# KiCad board ClockFOUR.kicad_pcb (continued)
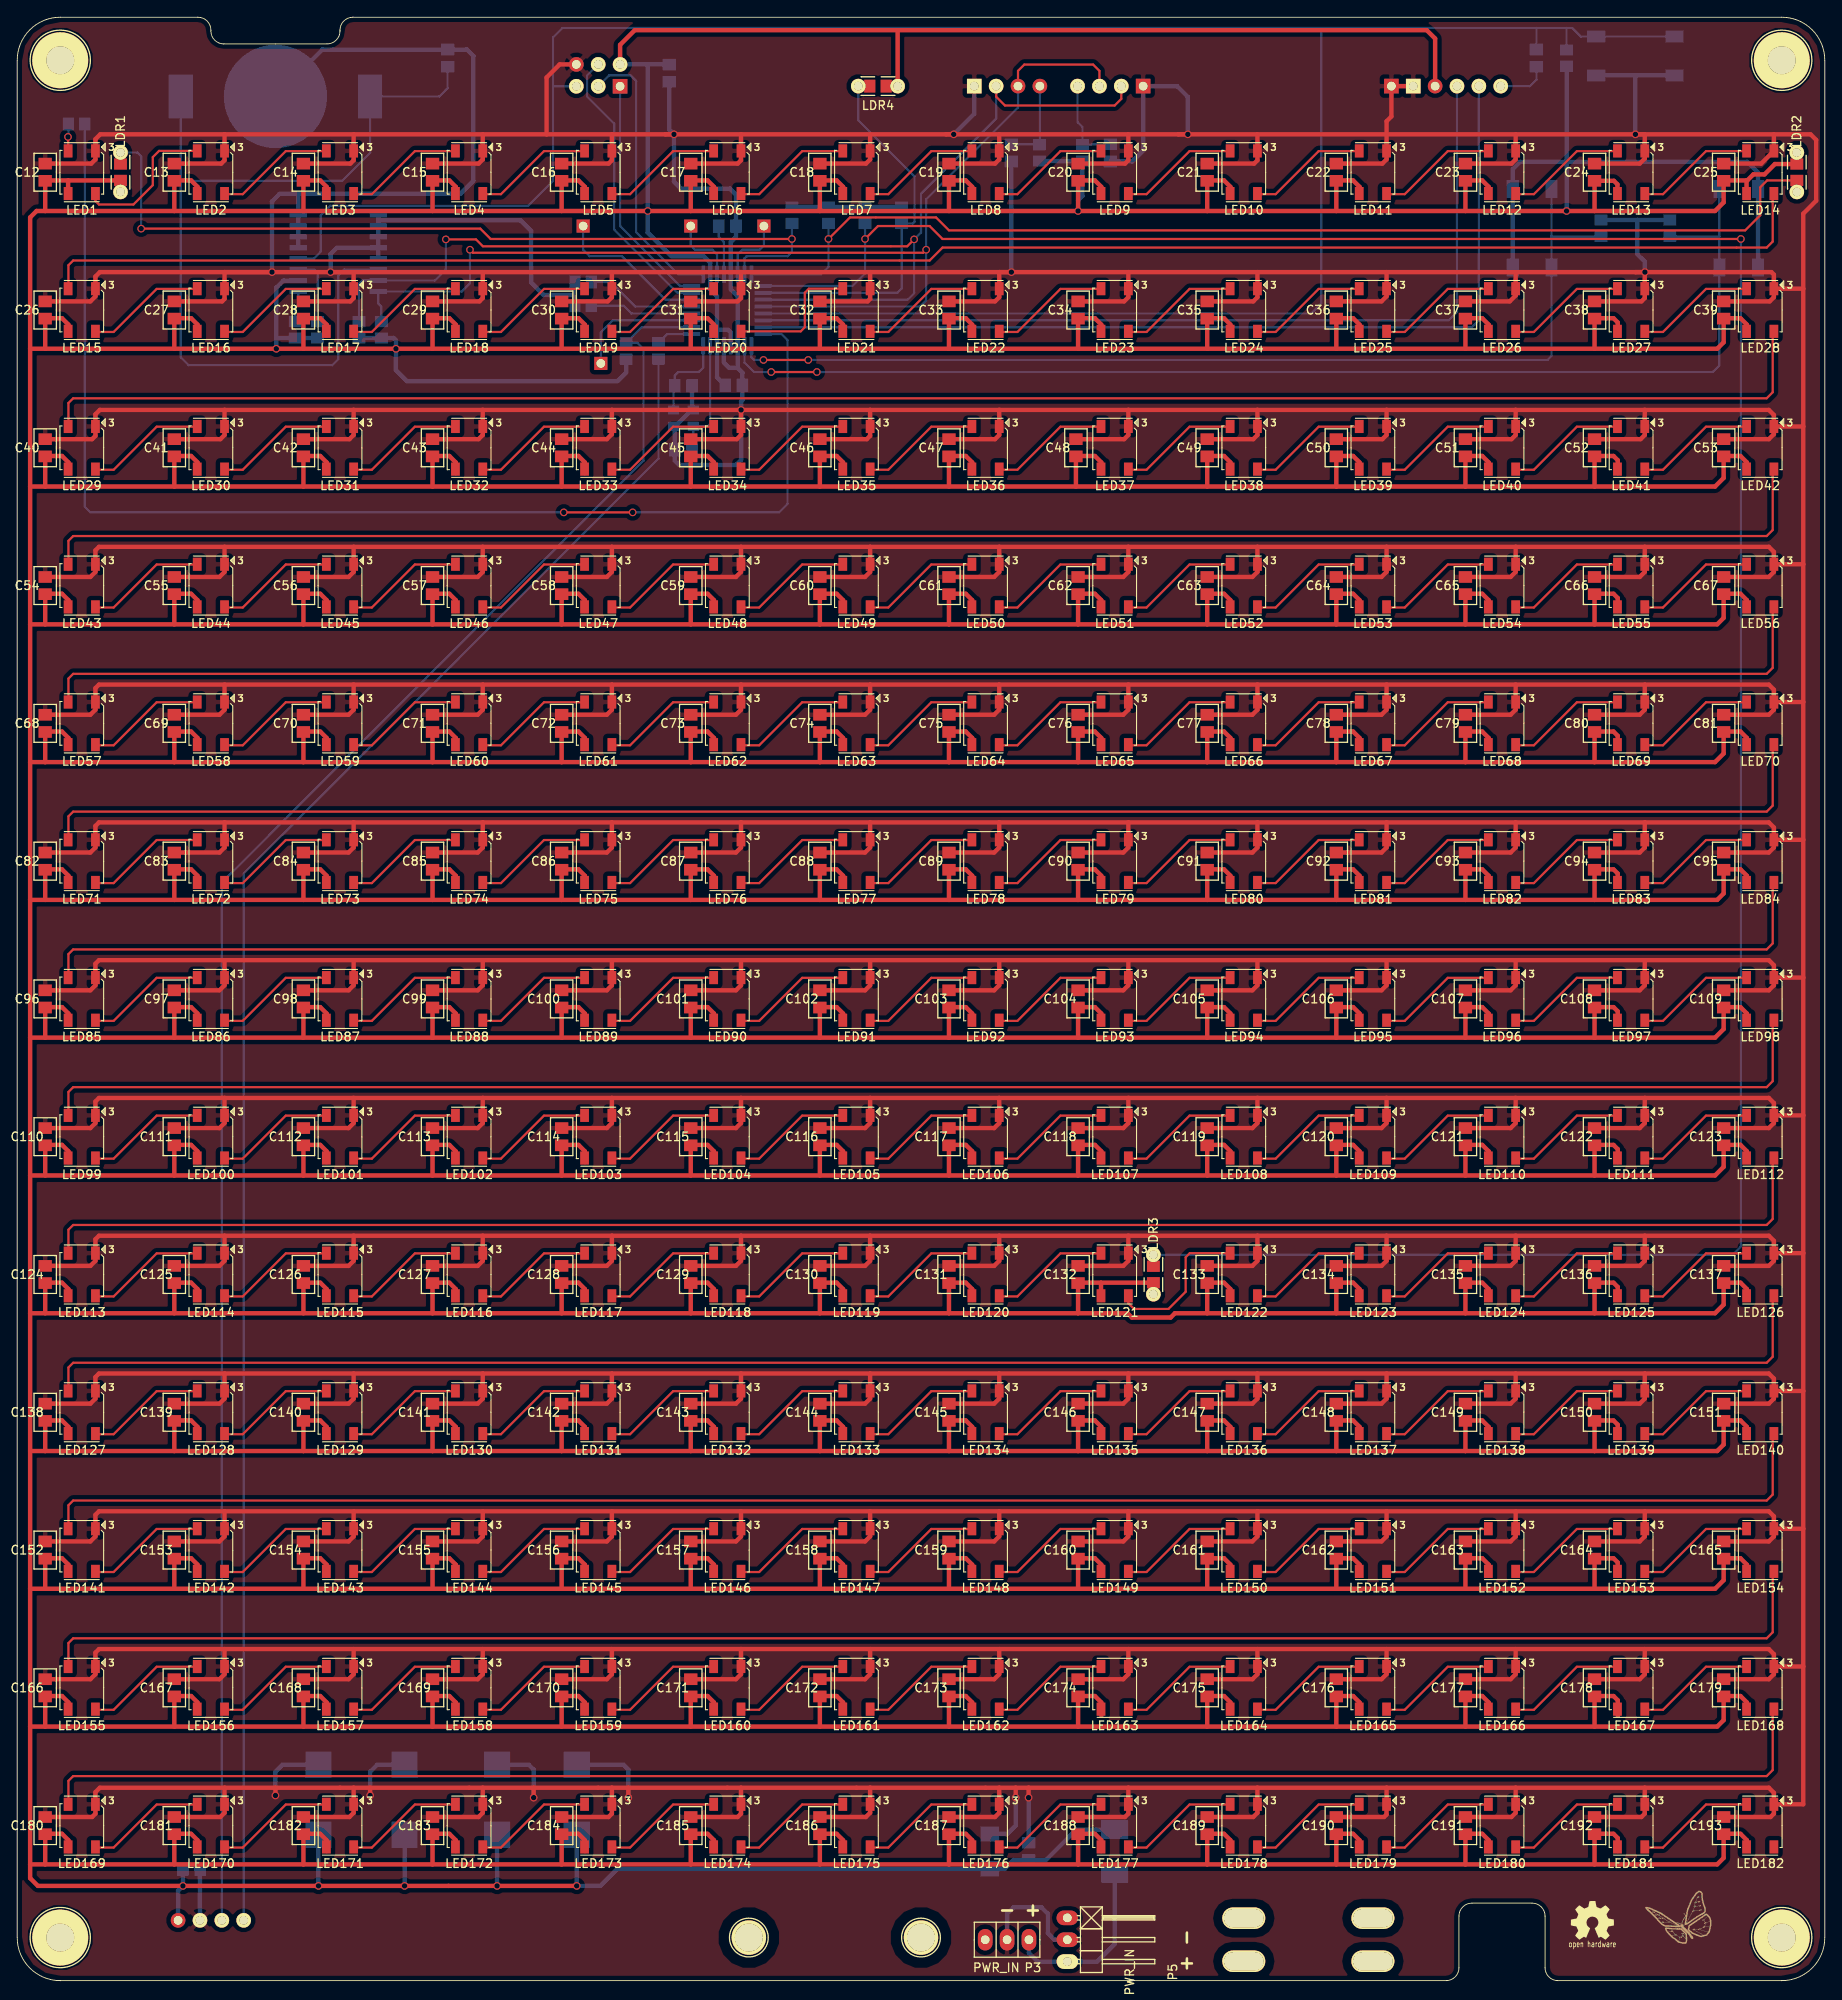
[diagram p0: board, top side]
## Routing (per net, layer and track width the routed paths; a pad name or vN(x,y) marks a point on that pad's centre or on a via; arc(x,y) is an arc through that point) (continued)
/5V_L: length 10.3
  Bottom w0.254: P7.1 123.19,215.81 123.75,215.25 P6.1 124.8,213.2 124.84,213.25 C197.1
/5V_R: length 10.1
  Bottom w0.254: P9.4 118.81,213.26 P8.2 118.7,213.25 C198.1
GND: length 4789.2
  Top w0.508: 24.09,166.5 9.5,166.5 9.09,166.09 LED43.3 9.09,163.59 8.5,163 C54.1 ; 24.09,166.5 39.09,166.5 ; 24.09,166.5 LED44.3 24.09,163.59 23.5,163 C55.1 ; LED56.3 204.09,165.91 203.5,166.5 189.09,166.5 ; LED56.3 204.09,163.59 203.5,163 C67.1 ; LED56.3 207.5,164.48 ; 24.09,150.5 9.5,150.5 9.09,150.09 LED57.3 9.09,147.59 8.5,147 C68.1 ; 24.09,150.5 39.09,150.5 ; 24.09,150.5 LED58.3 24.09,147.59 23.5,147 C69.1 ; LED70.3 204.09,149.91 203.5,150.5 189.09,150.5 ; LED70.3 204.09,147.59 203.5,147 C81.1 ; LED70.3 207.5,148.48 ; 189.09,150.5 174.09,150.5 ; 189.09,150.5 LED69.3 189.09,147.59 188.5,147 C80.1 ; 189.09,166.5 174.09,166.5 ; 189.09,166.5 LED55.3 189.09,163.59 188.5,163 C66.1 ; 174.09,150.5 159.09,150.5 ; 174.09,150.5 LED68.3 174.09,147.59 173.5,147 C79.1 ; 174.09,166.5 159.09,166.5 ; 174.09,166.5 LED54.3 174.09,163.59 173.5,163 C65.1 ; 159.09,166.5 144.09,166.5 ; 159.09,166.5 LED53.3 159.09,163.59 158.5,163 C64.1 ; 159.09,150.5 144.09,150.5 ; 159.09,150.5 LED67.3 159.09,147.59 158.5,147 C78.1 ; 144.09,150.5 129.09,150.5 ; 144.09,150.5 LED66.3 144.09,147.59 143.5,147 C77.1 ; 144.09,166.5 129.09,166.5 ; 144.09,166.5 LED52.3 144.09,163.59 143.5,163 C63.1 ; 129.09,166.5 114.09,166.5 ; 129.09,166.5 LED51.3 129.09,163.59 128.5,163 C62.1 ; 99.09,166.5 114.09,166.5 ; 99.09,166.5 84.09,166.5 ; 99.09,166.5 LED49.3 99.09,163.59 98.5,163 C60.1 ; 114.09,166.5 LED50.3 114.09,163.59 113.5,163 C61.1 ; 84.09,166.5 69.09,166.5 ; 84.09,166.5 LED48.3 84.09,163.59 83.5,163 C59.1 ; 69.09,166.5 54.09,166.5 ; 69.09,166.5 LED47.3 69.09,163.59 68.5,163 C58.1 ; 54.09,166.5 39.09,166.5 ; 54.09,166.5 LED46.3 54.09,163.59 53.5,163 C57.1 ; 39.09,166.5 LED45.3 39.09,163.59 38.5,163 C56.1 ; 129.09,150.5 114.09,150.5 ; 129.09,150.5 LED65.3 129.09,147.59 128.5,147 C76.1 ; 114.09,150.5 99.09,150.5 ; 114.09,150.5 LED64.3 114.09,147.59 113.5,147 C75.1 ; 99.09,150.5 84.09,150.5 ; 99.09,150.5 LED63.3 99.09,147.59 98.5,147 C74.1 ; 84.09,150.5 69.09,150.5 ; 84.09,150.5 LED62.3 84.09,147.59 83.5,147 C73.1 ; 69.09,150.5 54.09,150.5 ; 69.09,150.5 LED61.3 69.09,147.59 68.5,147 C72.1 ; 54.09,150.5 39.09,150.5 ; 54.09,150.5 LED60.3 54.09,147.59 53.5,147 C71.1 ; 39.09,150.5 LED59.3 39.09,147.59 38.5,147 C70.1 ; 24.09,134.5 9.5,134.5 9.09,134.09 LED71.3 9.09,131.59 8.5,131 C82.1 ; 24.09,134.5 39.09,134.5 ; 24.09,134.5 LED72.3 24.09,131.59 23.5,131 C83.1 ; LED84.3 204.09,133.91 203.5,134.5 189.09,134.5 ; LED84.3 204.09,131.59 203.5,131 C95.1 ; LED84.3 207.5,132.48 ; 189.09,134.5 174.09,134.5 ; 189.09,134.5 LED83.3 189.09,131.59 188.5,131 C94.1 ; 174.09,134.5 159.09,134.5 ; 174.09,134.5 LED82.3 174.09,131.59 173.5,131 C93.1 ; 159.09,134.5 144.09,134.5 ; 159.09,134.5 LED81.3 159.09,131.59 158.5,131 C92.1 ; 144.09,134.5 129.09,134.5 ; 144.09,134.5 LED80.3 144.09,131.59 143.5,131 C91.1 ; 129.09,134.5 114.09,134.5 ; 129.09,134.5 LED79.3 129.09,131.59 128.5,131 C90.1 ; 114.09,134.5 99.09,134.5 ; 114.09,134.5 LED78.3 114.09,131.59 113.5,131 C89.1 ; 99.09,134.5 84.09,134.5 ; 99.09,134.5 LED77.3 99.09,131.59 98.5,131 C88.1 ; 84.09,134.5 69.09,134.5 ; 84.09,134.5 LED76.3 84.09,131.59 83.5,131 C87.1 ; 69.09,134.5 54.09,134.5 ; 69.09,134.5 LED75.3 69.09,131.59 68.5,131 C86.1 ; 54.09,134.5 39.09,134.5 ; 54.09,134.5 LED74.3 54.09,131.59 53.5,131 C85.1 ; 39.09,134.5 LED73.3 39.09,131.59 38.5,131 C84.1 ; 24.09,118.5 9.5,118.5 9.09,118.09 LED85.3 9.09,115.59 8.5,115 C96.1 ; 24.09,118.5 39.09,118.5 ; 24.09,118.5 LED86.3 24.09,115.59 23.5,115 C97.1 ; LED98.3 204.09,117.91 203.5,118.5 189.09,118.5 ; LED98.3 204.09,115.59 203.5,115 C109.1 ; LED98.3 207.5,116.48 ; 189.09,118.5 174.09,118.5 ; 189.09,118.5 LED97.3 189.09,115.59 188.5,115 C108.1 ; 174.09,118.5 159.09,118.5 ; 174.09,118.5 LED96.3 174.09,115.59 173.5,115 C107.1 ; 159.09,118.5 144.09,118.5 ; 159.09,118.5 LED95.3 159.09,115.59 158.5,115 C106.1 ; 144.09,118.5 129.09,118.5 ; 144.09,118.5 LED94.3 144.09,115.59 143.5,115 C105.1 ; 129.09,118.5 114.09,118.5 ; 129.09,118.5 LED93.3 129.09,115.59 128.5,115 C104.1 ; 114.09,118.5 99.09,118.5 ; 114.09,118.5 LED92.3 114.09,115.59 113.5,115 C103.1 ; 99.09,118.5 84.09,118.5 ; 99.09,118.5 LED91.3 99.09,115.59 98.5,115 C102.1 ; 84.09,118.5 69.09,118.5 ; 84.09,118.5 LED90.3 84.09,115.59 83.5,115 C101.1 ; 69.09,118.5 54.09,118.5 ; 69.09,118.5 LED89.3 69.09,115.59 68.5,115 C100.1 ; 54.09,118.5 39.09,118.5 ; 54.09,118.5 LED88.3 54.09,115.59 53.5,115 C99.1 ; 39.09,118.5 LED87.3 39.09,115.59 38.5,115 C98.1 ; 24.09,102.5 9.5,102.5 9.09,102.09 LED99.3 9.09,99.59 8.5,99 C110.1 ; 24.09,102.5 39.09,102.5 ; 24.09,102.5 LED100.3 24.09,99.59 23.5,99 C111.1 ; LED112.3 204.09,101.91 203.5,102.5 189.09,102.5 ; LED112.3 204.09,99.59 203.5,99 C123.1 ; LED112.3 207.5,100.48 ; 189.09,102.5 174.09,102.5 ; 189.09,102.5 LED111.3 189.09,99.59 188.5,99 C122.1 ; 174.09,102.5 159.09,102.5 ; 174.09,102.5 LED110.3 174.09,99.59 173.5,99 C121.1 ; 159.09,102.5 144.09,102.5 ; 159.09,102.5 LED109.3 159.09,99.59 158.5,99 C120.1 ; 144.09,102.5 129.09,102.5 ; 144.09,102.5 LED108.3 144.09,99.59 143.5,99 C119.1 ; 129.09,102.5 114.09,102.5 ; 129.09,102.5 LED107.3 129.09,99.59 128.5,99 C118.1 ; 114.09,102.5 99.09,102.5 ; 114.09,102.5 LED106.3 114.09,99.59 113.5,99 C117.1 ; 99.09,102.5 84.09,102.5 ; 99.09,102.5 LED105.3 99.09,99.59 98.5,99 C116.1 ; 84.09,102.5 69.09,102.5 ; 84.09,102.5 LED104.3 84.09,99.59 83.5,99 C115.1 ; 69.09,102.5 54.09,102.5 ; 69.09,102.5 LED103.3 69.09,99.59 68.5,99 C114.1 ; 54.09,102.5 39.09,102.5 ; 54.09,102.5 LED102.3 54.09,99.59 53.5,99 C113.1 ; 39.09,102.5 LED101.3 39.09,99.59 38.5,99 C112.1 ; 24.09,86.5 9.5,86.5 9.09,86.09 LED113.3 9.09,83.59 8.5,83 C124.1 ; 24.09,86.5 39.09,86.5 ; 24.09,86.5 LED114.3 24.09,83.59 23.5,83 C125.1 ; LED126.3 204.09,85.91 203.5,86.5 189.09,86.5 ; LED126.3 204,84.39 ; LED126.3 204.09,83.59 203.5,83 C137.1 ; LED126.3 207.5,84.48 ; 189.09,86.5 174.09,86.5 ; 189.09,86.5 LED125.3 189.09,83.59 188.5,83 C136.1 ; 174.09,86.5 159.09,86.5 ; 174.09,86.5 LED124.3 174.09,83.59 173.5,83 C135.1 ; 159.09,86.5 144.09,86.5 ; 159.09,86.5 LED123.3 159.09,83.59 158.5,83 C134.1 ; 144.09,86.5 129.09,86.5 ; 144.09,86.5 LED122.3 144.09,83.59 143.5,83 C133.1 ; 129.09,86.5 114.09,86.5 ; 129.09,86.5 LED121.3 129.09,83.59 128.5,83 C132.1 ; 114.09,86.5 99.09,86.5 ; 114.09,86.5 LED120.3 114.09,83.59 113.5,83 C131.1 ; 99.09,86.5 84.09,86.5 ; 99.09,86.5 LED119.3 99.09,83.59 98.5,83 C130.1 ; 84.09,86.5 69.09,86.5 ; 84.09,86.5 LED118.3 84.09,83.59 83.5,83 C129.1 ; 69.09,86.5 54.09,86.5 ; 69.09,86.5 LED117.3 69.09,83.59 68.5,83 C128.1 ; 54.09,86.5 39.09,86.5 ; 54.09,86.5 LED116.3 54.09,83.59 53.5,83 C127.1 ; 39.09,86.5 LED115.3 39.09,83.59 38.5,83 C126.1 ; 24.09,70.5 9.5,70.5 9.09,70.09 LED127.3 9.09,67.59 8.5,67 C138.1 ; 24.09,70.5 39.09,70.5 ; 24.09,70.5 LED128.3 24.09,67.59 23.5,67 C139.1 ; LED140.3 204.09,69.91 203.5,70.5 189.09,70.5 ; LED140.3 204.09,67.59 203.5,67 C151.1 ; LED140.3 207.5,68.48 ; 189.09,70.5 174.09,70.5 ; 189.09,70.5 LED139.3 189.09,67.59 188.5,67 C150.1 ; 174.09,70.5 159.09,70.5 ; 174.09,70.5 LED138.3 174.09,67.59 173.5,67 C149.1 ; 159.09,70.5 144.09,70.5 ; 159.09,70.5 LED137.3 159.09,67.59 158.5,67 C148.1 ; 144.09,70.5 129.09,70.5 ; 144.09,70.5 LED136.3 144.09,67.59 143.5,67 C147.1 ; 129.09,70.5 114.09,70.5 ; 129.09,70.5 LED135.3 129.09,67.59 128.5,67 C146.1 ; 114.09,70.5 99.09,70.5 ; 114.09,70.5 LED134.3 114.09,67.59 113.5,67 C145.1 ; 99.09,70.5 84.09,70.5 ; 99.09,70.5 LED133.3 99.09,67.59 98.5,67 C144.1 ; 84.09,70.5 69.09,70.5 ; 84.09,70.5 LED132.3 84.09,67.59 83.5,67 C143.1 ; 69.09,70.5 54.09,70.5 ; 69.09,70.5 LED131.3 69.09,67.59 68.5,67 C142.1 ; 54.09,70.5 39.09,70.5 ; 54.09,70.5 LED130.3 54.09,67.59 53.5,67 C141.1 ; 39.09,70.5 LED129.3 39.09,67.59 38.5,67 C140.1 ; 24.09,54.5 9.5,54.5 9.09,54.09 LED141.3 9.09,51.59 8.5,51 C152.1 ; 24.09,54.5 39.09,54.5 ; 24.09,54.5 LED142.3 24.09,51.59 23.5,51 C153.1 ; LED154.3 204.09,53.91 203.5,54.5 189.09,54.5 ; LED154.3 204.09,51.59 203.5,51 C165.1 ; LED154.3 207.5,52.48 ; 189.09,54.5 174.09,54.5 ; 189.09,54.5 LED153.3 189.09,51.59 188.5,51 C164.1 ; 174.09,54.5 159.09,54.5 ; 174.09,54.5 LED152.3 174.09,51.59 173.5,51 C163.1 ; 159.09,54.5 144.09,54.5 ; 159.09,54.5 LED151.3 159.09,51.59 158.5,51 C162.1 ; 144.09,54.5 129.09,54.5 ; 144.09,54.5 LED150.3 144.09,51.59 143.5,51 C161.1 ; 129.09,54.5 114.09,54.5 ; 129.09,54.5 LED149.3 129.09,51.59 128.5,51 C160.1 ; 114.09,54.5 99.09,54.5 ; 114.09,54.5 LED148.3 114.09,51.59 113.5,51 C159.1 ; 99.09,54.5 84.09,54.5 ; 99.09,54.5 LED147.3 99.09,51.59 98.5,51 C158.1 ; 84.09,54.5 69.09,54.5 ; 84.09,54.5 LED146.3 84.09,51.59 83.5,51 C157.1 ; 69.09,54.5 54.09,54.5 ; 69.09,54.5 LED145.3 69.09,51.59 68.5,51 C156.1 ; 54.09,54.5 39.09,54.5 ; 54.09,54.5 LED144.3 54.09,51.59 53.5,51 C155.1 ; 39.09,54.5 LED143.3 39.09,51.59 38.5,51 C154.1 ; 24.09,38.5 9.5,38.5 9.09,38.09 LED155.3 9.09,35.59 8.5,35 C166.1 ; 24.09,38.5 39.09,38.5 ; 24.09,38.5 LED156.3 24.09,35.59 23.5,35 C167.1 ; LED168.3 204.09,37.91 203.5,38.5 189.09,38.5 ; LED168.3 204.09,35.59 203.5,35 C179.1 ; LED168.3 207.5,36.48 ; 189.09,38.5 174.09,38.5 ; 189.09,38.5 LED167.3 189.09,35.59 188.5,35 C178.1 ; 174.09,38.5 159.09,38.5 ; 174.09,38.5 LED166.3 174.09,35.59 173.5,35 C177.1 ; 159.09,38.5 144.09,38.5 ; 159.09,38.5 LED165.3 159.09,35.59 158.5,35 C176.1 ; 144.09,38.5 129.09,38.5 ; 144.09,38.5 LED164.3 144.09,35.59 143.5,35 C175.1 ; 129.09,38.5 114.09,38.5 ; 129.09,38.5 LED163.3 129.09,35.59 128.5,35 C174.1 ; 114.09,38.5 99.09,38.5 ; 114.09,38.5 LED162.3 114.09,35.59 113.5,35 C173.1 ; 99.09,38.5 84.09,38.5 ; 99.09,38.5 LED161.3 99.09,35.59 98.5,35 C172.1 ; 84.09,38.5 69.09,38.5 ; 84.09,38.5 LED160.3 84.09,35.59 83.5,35 C171.1 ; 69.09,38.5 54.09,38.5 ; 69.09,38.5 LED159.3 69.09,35.59 68.5,35 C170.1 ; 54.09,38.5 39.09,38.5 ; 54.09,38.5 LED158.3 54.09,35.59 53.5,35 C169.1 ; 39.09,38.5 LED157.3 39.09,35.59 38.5,35 C168.1 ; 207.5,52.48 207.5,36.48 ; 207.5,52.48 207.5,68.48 ; 207.5,36.48 207.5,20.48 LED182.3 ; 207.5,68.48 207.5,84.48 ; 207.5,84.48 207.5,100.48 ; 207.5,100.48 207.5,116.48 ; 207.5,116.48 207.5,132.48 ; 207.5,132.48 207.5,148.48 ; 207.5,148.48 207.5,164.48 ; 207.5,164.48 207.5,180.48 ; 207.5,180.48 207.5,196.48 ; 207.5,180.48 LED42.3 ; 207.5,196.48 207.5,205.19 209,206.69 209,213.75 208.35,214.4 204.09,214.4 ; 207.5,196.48 LED28.3 ; 61.5,214.4 69.09,214.4 ; 61.5,214.4 54.09,214.4 ; 61.5,214.4 61.5,221 63.02,222.52 P1.6 ; 69.09,214.4 75.3,214.4 ; 69.09,214.4 LED5.3 69.09,211.39 68.7,211 C16.1 ; LED182.3 204.09,21.81 203.5,22.4 189.09,22.4 ; LED182.3 204.09,19.39 203.7,19 C193.1 ; 189.09,22.4 174.09,22.4 ; 189.09,22.4 LED181.3 189.09,19.39 188.7,19 C192.1 ; 174.09,22.4 159.09,22.4 ; 174.09,22.4 LED180.3 174.09,19.49 173.6,19 C191.1 ; 159.09,22.4 144.09,22.4 ; 159.09,22.4 LED179.3 159.09,19.29 158.8,19 C190.1 ; 144.09,22.4 129.09,22.4 ; 144.09,22.4 LED178.3 144.09,19.49 143.6,19 C189.1 ; 129.09,22.4 117.5,22.4 ; 129.09,22.4 LED177.3 129.09,19.39 128.7,19 C188.1 ; 114.09,22.4 116,22.4 ; 114.09,22.4 99.09,22.4 ; 114.09,22.4 LED176.3 114.09,19.49 113.6,19 C187.1 ; 116,22.4 v1(116,21.25) ; 116,22.4 117.5,22.4 ; 99.09,22.4 84.09,22.4 ; 99.09,22.4 LED175.3 99.09,19.49 98.6,19 C186.1 ; 84.09,22.4 71,22.4 ; 84.09,22.4 LED174.3 84.09,19.39 83.7,19 C185.1 ; 69.09,22.4 71,22.4 ; 69.09,22.4 60,22.4 ; 69.09,22.4 LED173.3 69.09,19.39 68.7,19 C184.1 ; 71,22.4 v1(71,21.25) ; 54.09,22.4 60,22.4 ; 54.09,22.4 41,22.4 ; 54.09,22.4 LED172.3 54.09,19.49 53.6,19 C183.1 ; 60,22.4 v1(60,21.25) ; 39.09,22.4 41,22.4 ; 39.09,22.4 30,22.4 ; 39.09,22.4 LED171.3 39.09,19.49 38.6,19 C182.1 ; 41,22.4 v1(41,21.5) ; 24.09,22.4 30,22.4 ; 24.09,22.4 9.6,22.4 9.09,21.89 LED169.3 9.09,19.39 8.7,19 C180.1 ; 24.09,22.4 LED170.3 24.09,19.49 23.6,19 C181.1 ; 30,22.4 v1(30,21.5) ; 24.09,198.4 9.6,198.4 9.09,197.89 LED15.3 9.09,195.59 8.5,195 C26.1 ; 24.09,198.4 24.1,198.4 ; 24.09,198.4 LED16.3 24.09,195.29 23.8,195 C27.1 ; LED28.3 204.09,198.11 203.8,198.4 189.09,198.4 ; LED28.3 204.09,195.49 203.6,195 C39.1 ; 189.09,198.4 188,198.4 ; 189.09,198.4 LED27.3 189.09,195.39 188.7,195 C38.1 ; 174.09,198.4 188,198.4 ; 174.09,198.4 159.09,198.4 ; 174.09,198.4 LED26.3 174.09,195.69 173.4,195 C37.1 ; 188,198.4 v1(189.1,198.4) ; 159.09,198.4 144.09,198.4 ; 159.09,198.4 LED25.3 159.09,195.59 158.5,195 C36.1 ; 144.09,198.4 129.09,198.4 ; 144.09,198.4 LED24.3 144.09,195.49 143.6,195 C35.1 ; 129.09,198.4 114.1,198.4 ; 129.09,198.4 LED23.3 129.09,195.49 128.6,195 C34.1 ; 114.09,198.4 114.1,198.4 ; 114.09,198.4 99.09,198.4 ; 114.09,198.4 LED22.3 114.09,195.49 113.6,195 C33.1 ; 114.1,198.4 v1(115.5,198.4) ; 99.09,198.4 84.09,198.4 ; 99.09,198.4 LED21.3 99.09,195.29 98.8,195 C32.1 ; 84.09,198.4 69.09,198.4 ; 84.09,198.4 LED20.3 84.09,195.39 83.7,195 C31.1 ; 69.09,198.4 54.09,198.4 ; 69.09,198.4 LED19.3 69.09,195.49 68.6,195 C30.1 ; 54.09,198.4 39.09,198.4 ; 54.09,198.4 LED18.3 54.09,195.39 53.7,195 C29.1 ; 39.09,198.4 v1(36.4,198.4) ; 39.09,198.4 24.1,198.4 ; 39.09,198.4 LED17.3 39.09,195.39 38.7,195 C28.1 ; 24.1,198.4 v1(29.6,198.4) ; 174.09,214.4 189.09,214.4 ; 174.09,214.4 159.09,214.4 ; 174.09,214.4 LED12.3 174.09,211.49 173.6,211 C23.1 ; 189.09,214.4 v1(188,214.4) ; 189.09,214.4 204.09,214.4 ; 189.09,214.4 LED13.3 189.09,211.59 188.5,211 C24.1 ; 159.09,214.4 144.09,214.4 ; 159.09,214.4 159.09,215.91 159.65,216.47 P2.1 P2.2 ; 159.09,214.4 LED11.3 159.09,211.49 158.6,211 C22.1 ; 144.09,214.4 134.9,214.4 ; 144.09,214.4 LED10.3 144.09,211.39 143.7,211 C21.1 ; 129.09,214.4 134.9,214.4 ; 129.09,214.4 114.09,214.4 ; 129.09,214.4 LED9.3 129.09,211.39 128.7,211 C20.1 ; 134.9,214.4 v1(136,214.4) ; 114.09,214.4 107.9,214.4 ; 114.09,214.4 LED8.3 114.09,211.49 113.6,211 C19.1 ; 75.3,214.4 v1(76.3,214.4) ; 75.3,214.4 84.09,214.4 ; 54.09,214.4 39.09,214.4 ; 54.09,214.4 LED4.3 54.09,211.49 53.6,211 C15.1 ; 39.09,214.4 24.09,214.4 ; 39.09,214.4 LED3.3 39.09,211.39 38.7,211 C14.1 ; 24.09,214.4 9.65,214.4 9.09,213.84 LED1.3 9.09,211.49 8.6,211 C12.1 ; 24.09,214.4 LED2.3 24.09,211.39 23.7,211 C13.1 ; 24.09,182.4 9.6,182.4 9.09,181.89 LED29.3 9.09,179.39 8.7,179 C40.1 ; 24.09,182.4 39.09,182.4 ; 24.09,182.4 LED30.3 24.09,179.49 23.6,179 C41.1 ; LED42.3 204.09,181.81 203.5,182.4 189.09,182.4 ; LED42.3 204.09,179.59 203.5,179 C53.1 ; 189.09,182.4 174.09,182.4 ; 189.09,182.4 LED41.3 189.09,179.49 188.6,179 C52.1 ; 174.09,182.4 159.09,182.4 ; 174.09,182.4 LED40.3 174.09,179.49 173.6,179 C51.1 ; 159.09,182.4 144.09,182.4 ; 159.09,182.4 LED39.3 159.09,179.49 158.6,179 C50.1 ; 144.09,182.4 129.09,182.4 ; 144.09,182.4 LED38.3 144.09,179.49 143.6,179 C49.1 ; 129.09,182.4 114.09,182.4 ; 129.09,182.4 LED37.3 129.09,179.49 128.6,179 C48.1 ; 114.09,182.4 99.09,182.4 ; 114.09,182.4 LED36.3 114.09,179.49 113.6,179 C47.1 ; 99.09,182.4 84.09,182.4 ; 99.09,182.4 LED35.3 99.09,179.39 98.7,179 C46.1 ; 84.09,182.4 v1(84.1,182.4) ; 84.09,182.4 69.09,182.4 ; 84.09,182.4 LED34.3 84.09,179.49 83.6,179 C45.1 ; 69.09,182.4 54.09,182.4 ; 69.09,182.4 LED33.3 69.09,179.59 68.5,179 C44.1 ; 54.09,182.4 39.09,182.4 ; 54.09,182.4 LED32.3 54.09,179.49 53.6,179 C43.1 ; 39.09,182.4 LED31.3 39.09,179.49 38.6,179 C42.1 ; 99.09,214.4 107.9,214.4 ; 99.09,214.4 84.09,214.4 ; 99.09,214.4 LED7.3 99.09,211.49 98.6,211 C18.1 ; 107.9,214.4 v1(108.8,214.4) ; 84.09,214.4 LED6.3 84.09,211.39 83.7,211 C17.1 ; 204.09,214.4 LED14.3 202.61,211 C25.1 ; v1(117.5,21.25) 117.5,22.4
  Bottom w0.254: 83.18,203.58 83.35,203.75
  Bottom w0.508: BT1.2 35.45,224.25 C9.2 52.25,224.25 53,223.5 53,209 51.5,207.5 32.65,207.5 ; 83.7,187.28 82.72,187.28 82.1,187.9 U1.5 ; 83.7,187.28 84.25,186.72 C1.2 84.25,183.55 84.1,183.4 v1(84.1,182.4) 84.1,176.6 83.5,176 76.9,176 76.4,176.5 C5.2 76.4,180.35 X1.3 76.45,180.5 78.35,182.4 X1.3 78.4,182.55 C7.1 ; 83.7,187.28 U1.3 83.7,195.6 82.9,196.4 U1.21 82.9,201.9 83.5,202.5 C3.2 83.5,207.4 82.8,208.1 77.1,208.1 76.3,208.9 v1(76.3,214.4) 75.75,214.95 C8.1 ; 64.8,195.75 R12.1 ; 64.8,195.75 61.15,195.75 59.7,197.2 59.7,203.2 58.5,204.4 41.95,204.4 ; 64.8,195.75 R13.1 ; 188,221.25 SW1.2 ; 188,221.25 v1(188,214.4) ; 188,221.25 SW1.2 ; C197.2 129.55,211.25 130.81,212.51 P7.4 134.75,220 136,218.75 v1(136,214.4) ; 188.2,204.45 R11.2 ; 188.2,204.45 R10.2 ; 188.2,204.45 188.2,200.5 189.1,199.6 v1(189.1,198.4) ; v1(29.6,198.4) 29.6,206.6 30.5,207.5 32.65,207.5 ; 41.95,204.4 U2.9 ; 41.95,204.4 U2.11 U2.12 ; C199.1 21.23,12.93 P10.3 ; v1(108.8,214.4) 111.19,216.79 P9.1 ; v1(30,21.5) 30,24.25 30.81,25.06 C194.2 ; v1(41,21.5) 41,24.25 41.81,25.06 C195.2 ; v1(60,21.25) 60,24.5 59.44,25.06 C196.2 ; v1(71,21.25) 71,24.5 70.44,25.06 C10.2 ; v1(116,21.25) 116,18 115.03,17.03 D1.1 ; P3.2 115,7.75 115.75,8.5 119,8.5 119.75,7.75 119.75,5.5 120.5,4.75 P5.2 ; 32.65,207.5 U2.8 U2.6 U2.5 ; U2.12 U2.13 ; U2.12 37.14,201.24 36.4,200.5 v1(36.4,198.4) ; C11.2 v1(117.5,21.25) ; R5.2 R14.2 R15.2 R16.2 ; C198.2 v1(115.5,198.4)
/A6: length 8
  Bottom w0.254: A6.1 78.25,201.5 78.75,201 80.75,201 81.3,200.45 U1.19
/A7: length 8
  Bottom w0.254: A7.1 86.75,201.5 86.25,201 84.25,201 83.7,200.45 U1.22
/AREF: length 5.8
  Bottom w0.254: C3.1 81.5,202.5 82.1,201.9 U1.20
/B2: length 17.8
  Bottom w0.254: B2.1 65.75,201 66.5,200.25 70.25,200.25 75.3,195.2 U1.14
/BAT: length 105.7
  Bottom w0.254: 19,209 37.75,209 41,212.25 BT1.1 49.05,218.8 50,219.75 C9.1 ; 19,209 BT1.1 ; 19,209 19,188.5 19.9,187.6 36.6,187.6 37.3,188.3 37.3,198 38,198.69 U2.14
/D7: length 14.7
  Bottom w0.254: D7.1 67.8,191.4 69.2,192.8 U1.11
/LDR1_PIN: length 99.4
  Top w0.254: v1(14.4,203.45) 53.8,203.45 55,202.25 v1(90,202.25) ; LDR1.2 LDR1.2
  Bottom w0.254: v1(14.4,203.45) 14.4,211.85 13.96,212.29 LDR1.2 ; R5.1 v1(90,202.25) 90,200.75 89.5,200.25 84.75,200.25 84.5,200 U1.23
/LDR2_PIN: length 134.1
  Top w0.254: v1(94.25,202.25) 96.75,204.75 106.75,204.75 108.25,203.25 200.75,203.25 202.5,205 202.5,208.25 203.3,209.05 LDR2.2 LDR2.2
  Bottom w0.254: R14.1 v1(94.25,202.25) 94.25,199 93.4,198.15 U1.24
/LDR3_PIN: length 308.9
  Top w0.254: v1(98.5,202.25) 100,203.75 106,203.75 107.5,202.25 v1(200.25,202.25) ; LDR3.2 LDR3.2
  Bottom w0.254: v1(200.25,202.25) 200.25,85.25 199.29,84.29 LDR3.2 132.71,84.29 ; R15.1 v1(98.5,202.25) 98.5,198.25 97.05,196.8 U1.25
/LDR4_PIN: length 45.2
  Top w0.254: LDR4.2 LDR4.2
  Bottom w0.254: LDR4.2 97.71,216.04 104.25,209.5 104.25,204.25 104.05,204.05 R16.1 102.75,196.5 102.25,196 U1.26
/MARQUEE_DATA: length 4.3
  Bottom w0.254: R4.1 75.5,191.2 U1.9
/MARQUEE_SENSE: length 213.4
  Bottom w0.254: P10.2 23.77,127.52 72.75,176.5 72.75,189.5 72.05,190.2 R3.2 72.55,192 U1.10
/MATRIX_PIN: length 148.9
  Top w0.254: v1(63.5,170.5) v1(71.5,170.5)
  Bottom w0.254: v1(71.5,170.5) 88.5,170.5 89.5,171.5 89.5,190.5 88.8,191.2 U1.32 ; v1(63.5,170.5) 8.5,170.5 7.85,171.15 R1.1
/MISO: length 27.4
  Bottom w0.254: U1.16 77,196.8 70.04,203.76 P1.1
/MOSI: length 33.1
  Bottom w0.254: U1.15 76.7,196 69.35,203.35 69.35,215.65 66.2,218.8 66.2,221.22 P1.4
/RESET: length 288.9
  Bottom w0.254: 32.53,199.85 U2.4 34.47,199.97 35.25,200.75 35.25,205 36.35,206.1 59.35,206.1 62.25,209 62.25,219.98 ; 62.25,219.98 62.25,225.65 63.35,226.75 151.5,226.75 ; 62.25,219.98 P1.5 ; 180,226.75 176.5,226.75 ; 180,226.75 R2.2 ; 180,226.75 180.65,226.75 181.65,225.75 SW1.1 SW1.1 ; 176.5,226.75 151.5,226.75 ; 176.5,226.75 C6.1 ; 151.5,226.75 151.5,194.75 150.35,193.6 U1.29
/Row_A/DI_A: length 3.1
  Top w0.254: v1(5.9,214.1) 5.91,214.09 LED1.4
  Bottom w0.254: v1(5.9,214.1) 5.95,214.15 R1.2
/Row_B/DI_B: length 207.4
  Top w0.254: 203.95,207.45 203.95,201.95 203.25,201.25 107.5,201.25 106,199.75 6.5,199.75 5.95,199.2 5.95,196.45
/Row_C/DI_C: length 208.3
  Top w0.254: 203.95,191.45 203.95,184.45 203.25,183.75 6.5,183.75 5.95,183.2 5.95,180.45